# Altium PCB 通讯转换模块-V5.PcbDoc (part 1 of 2)
Units mm, origin at the board's own origin, x right, y up, seen from the top; angles counter-clockwise.
Board outline 99.4 x 81.85 mm, 2 copper layers (Top Layer, Bottom Layer), stack 1.571 mm thick; 115 components, 145 nets, 551 pads, 427 vias.
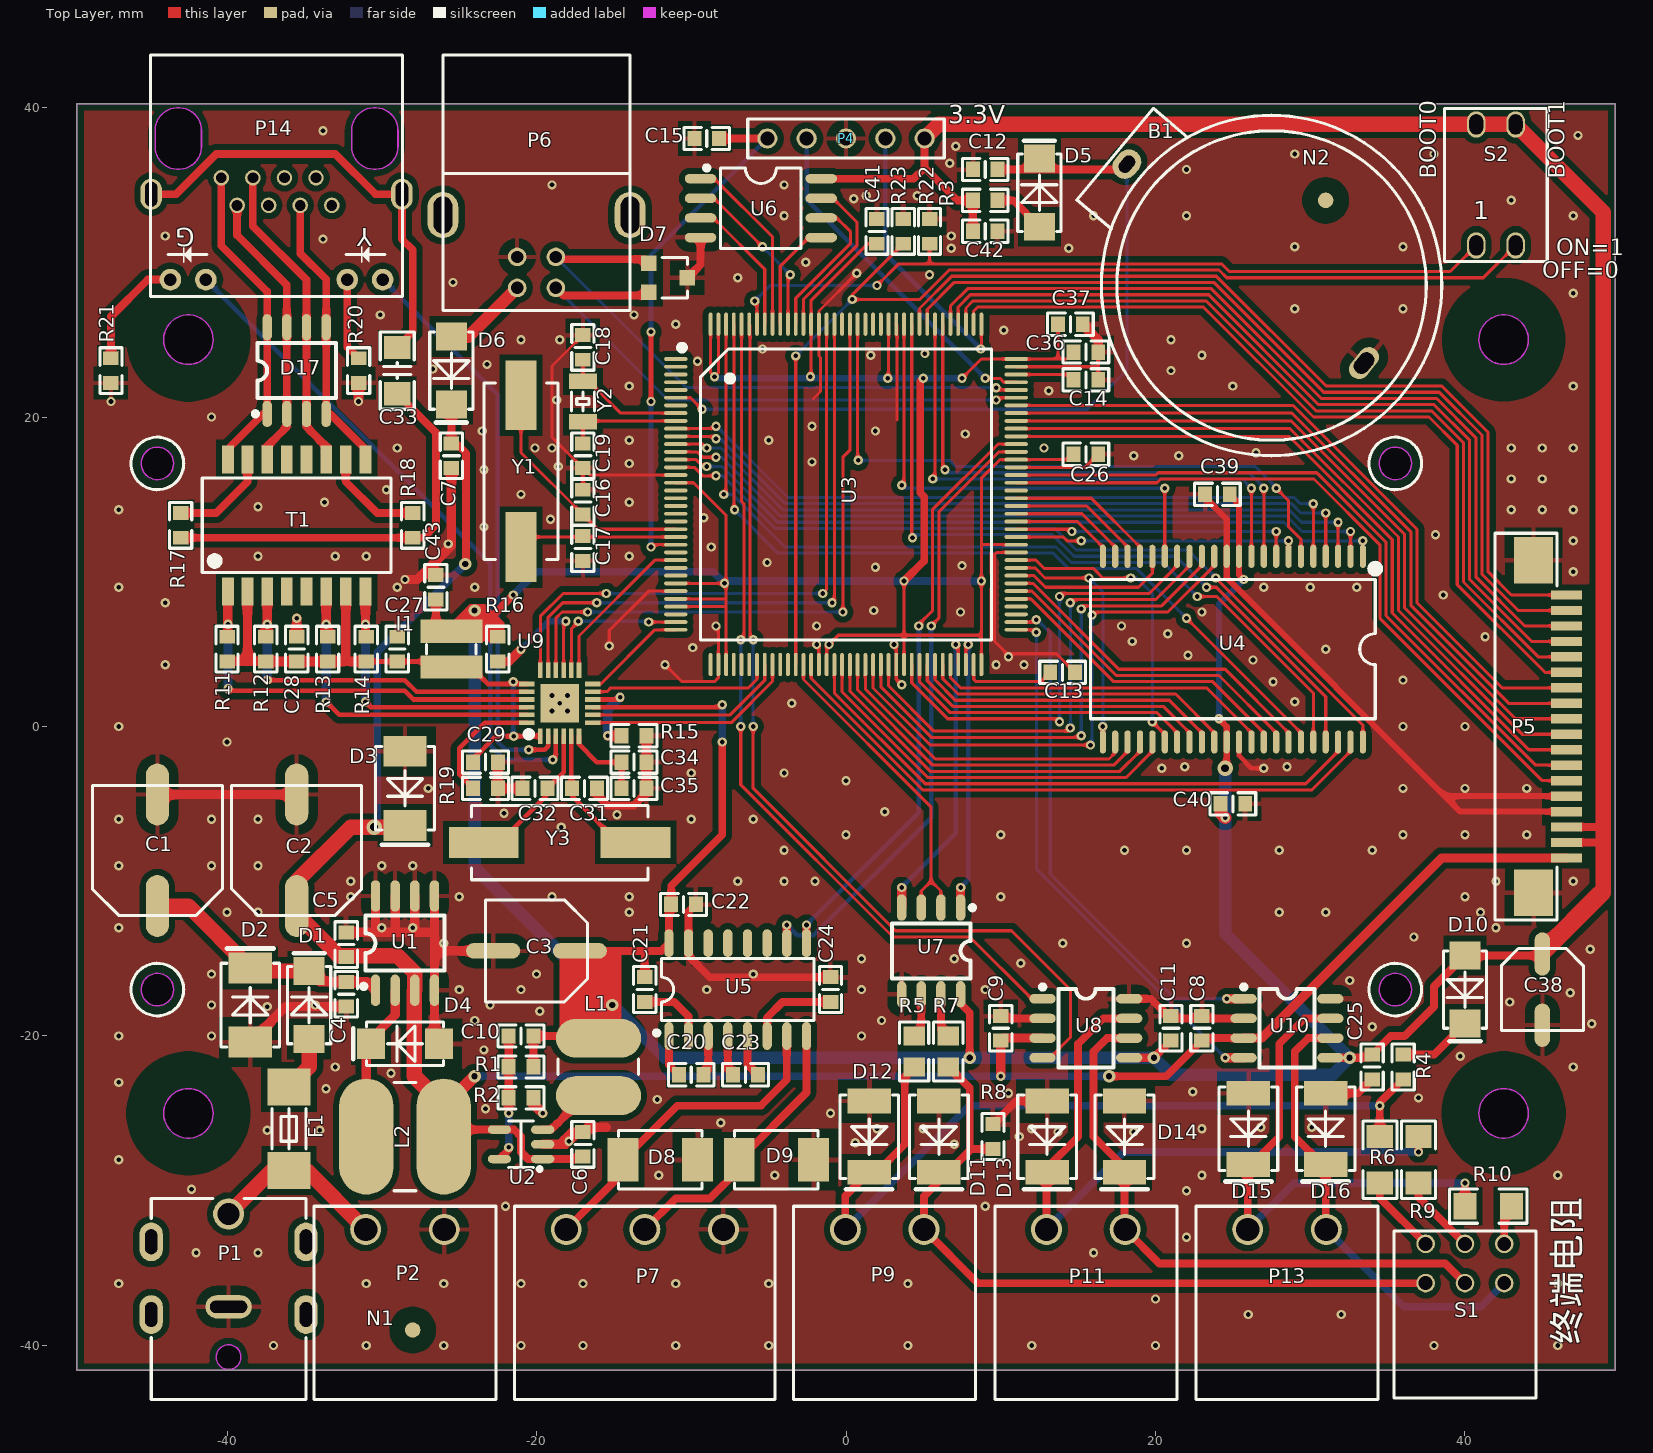
[diagram p0: Top Layer view]
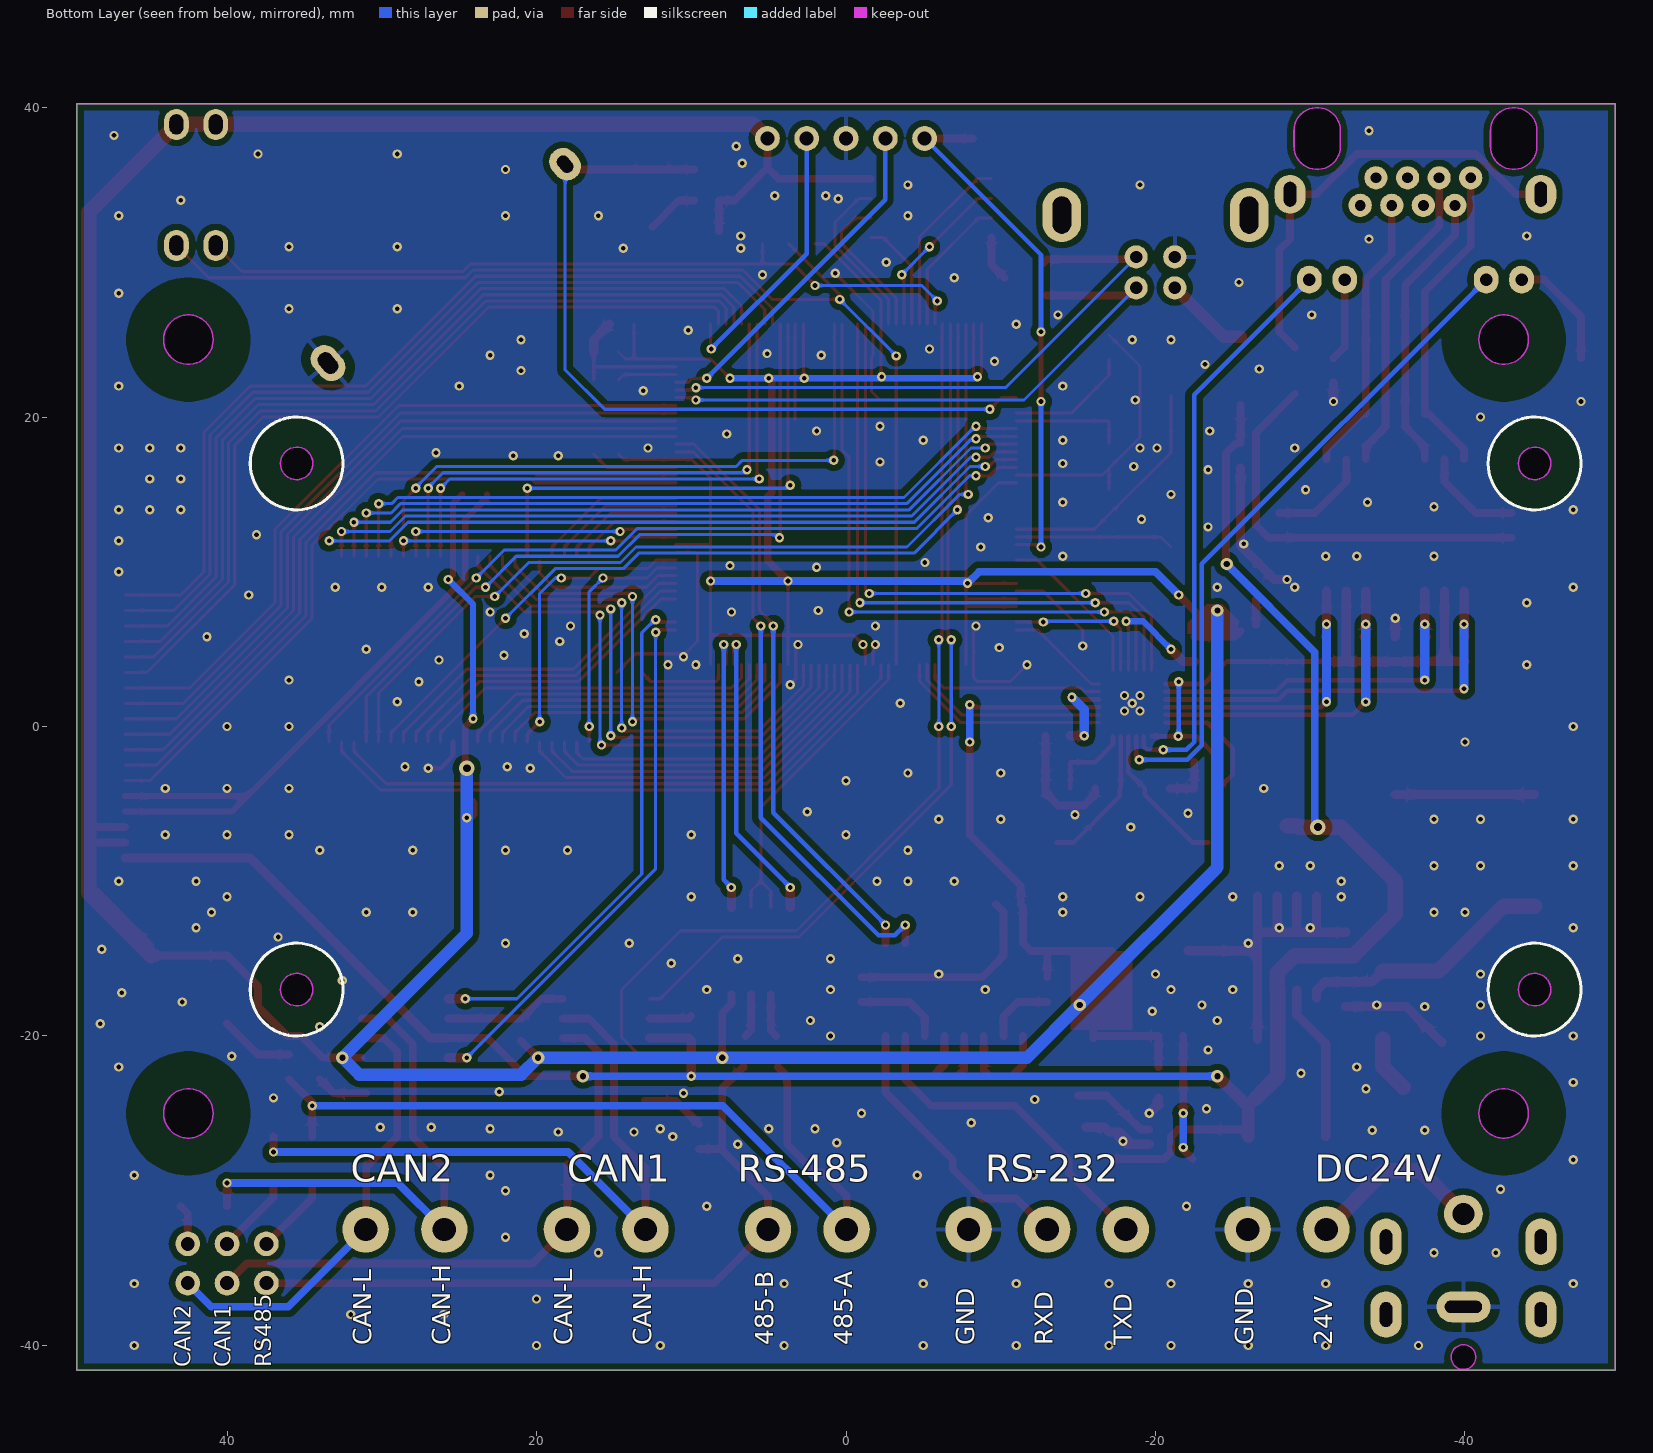
[diagram p1: Bottom Layer view, seen from below]
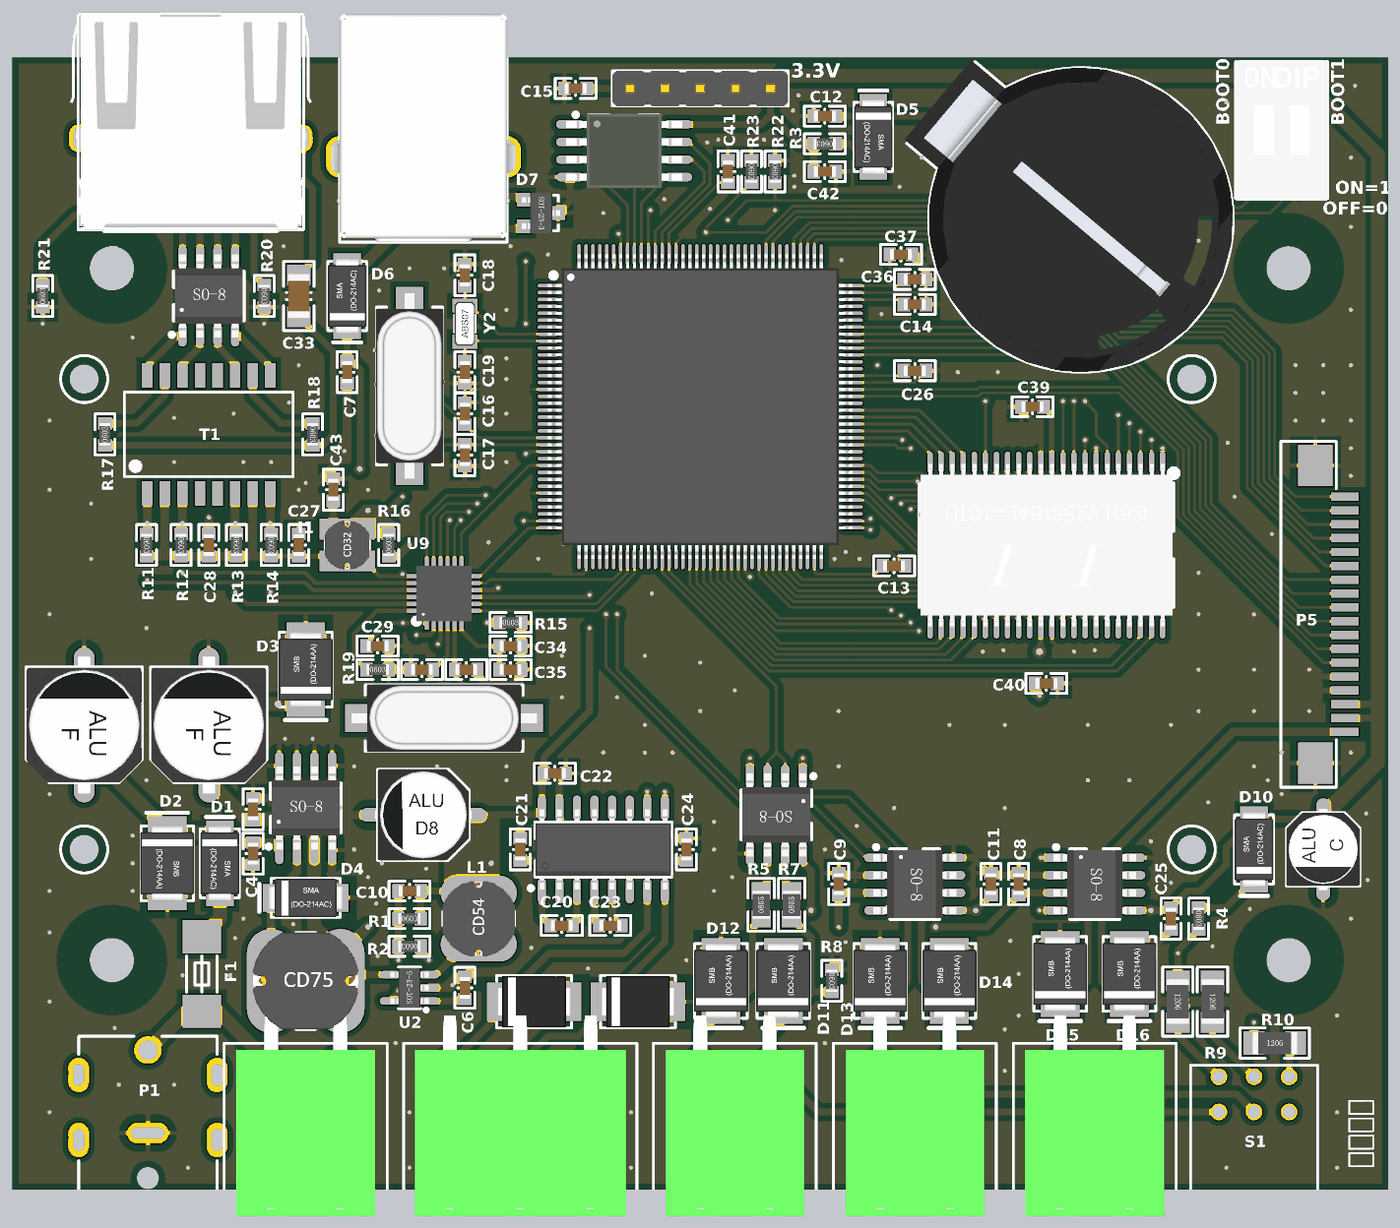
[diagram p3: 3D render of the assembled board from above, using the file's embedded part models]

## Layer stack, top to bottom
Top Solder: solder mask 0.0102, Solder Resist, Dk 3.5
Top Layer: signal copper 0.0356
Dielectric1: dielectric 1.5, FR-4, Dk 4.8
Bottom Layer: signal copper 0.0356
Bottom Solder: solder mask 0.0102, Solder Resist, Dk 3.5

## Board outline
-49.7,-41.6 49.7,-41.6 49.7,40.25 -49.7,40.25
cut-out: 34.45,-17 ccw(c35.5,-17) 35.5,-18.05 ccw(c35.5,-17) 36.55,-17 ccw(c35.5,-17) 35.5,-15.95 ccw(c35.5,-17)
cut-out: 34.45,17 ccw(c35.5,17) 35.5,15.95 ccw(c35.5,17) 36.55,17 ccw(c35.5,17) 35.5,18.05 ccw(c35.5,17)
cut-out: -45.55,17 ccw(c-44.5,17) -44.5,15.95 ccw(c-44.5,17) -43.45,17 ccw(c-44.5,17) -44.5,18.05 ccw(c-44.5,17)
cut-out: -45.55,-17 ccw(c-44.5,-17) -44.5,-18.05 ccw(c-44.5,-17) -43.45,-17 ccw(c-44.5,-17) -44.5,-15.95 ccw(c-44.5,-17)
cut-out: 40.9,25 ccw(c42.5,25) 42.5,23.4 ccw(c42.5,25) 44.1,25 ccw(c42.5,25) 42.5,26.6 ccw(c42.5,25)
cut-out: 40.9,-25 ccw(c42.5,-25) 42.5,-26.6 ccw(c42.5,-25) 44.1,-25 ccw(c42.5,-25) 42.5,-23.4 ccw(c42.5,-25)
cut-out: -44.1,-25 ccw(c-42.5,-25) -42.5,-26.6 ccw(c-42.5,-25) -40.9,-25 ccw(c-42.5,-25) -42.5,-23.4 ccw(c-42.5,-25)
cut-out: -44.1,25 ccw(c-42.5,25) -42.5,23.4 ccw(c-42.5,25) -40.9,25 ccw(c-42.5,25) -42.5,26.6 ccw(c-42.5,25)

## Design rules (kind name [scope] priority, off if disabled: settings)
Clearance Clearance敷铜间隔 [InPolygon] p1: gap=0.4
Clearance Clearance通用间隔 [All] p2: gap=0.2
PlaneConnect [All] p1: planeconnectstyle=Relief reliefexpansion=0.508 reliefentries=4 reliefconductorwidth=0.3 reliefairgap=0.3
PolygonConnect PolygonConnect_过孔 [All vs IsVia] p1: connectstyle=Direct reliefconductorwidth=0.254 reliefentries=4 polygonreliefangle="90 Angle" airgapwidth=0.254
PolygonConnect [All] p2: connectstyle=Relief reliefconductorwidth=0.3 reliefentries=4 polygonreliefangle="90 Angle" airgapwidth=0.6
RoomDefinition 通讯转换模块-V5 [InComponentClass('通讯转换模块-V5')] p1: confinementstyle=ConfineIn formatcopy=TRUE lockcomponents=FALSE outline -323,-348 -272.2,-348 -272.2,-322.6 -323,-322.6
RoutingVias [All] p1: holewidth=0.5 width=1 viastyle="Through Hole" minholewidth=0.4 minwidth=0.8 maxholewidth=10 maxwidth=10
SolderMaskExpansion [All] p1: expansion=0.102
Width [All] p1: maxlimit=10 minlimit=0.2 preferedwidth=0.5
29 further rules are at their usual default settings.

## Components (designator, comment, footprint, x,y, rotation, side; value= is the part's Value field where it differs from the comment)
B1 "CR2032-3V" CR2032 27.5,28.5 r320 top
C1 "100UF/50V" 贴片固态电容8*10 -44.5,-8 r90 top
C2 "470UF/16V" 贴片固态电容8*10 -35.5,-8 r90 top
C3 "220UF/10V" 贴片固态电容6.3*7.7 -20,-14.5 r180 top
C4 "104" C-0603 -32.3,-17.3 r90 top
C5 "104" C-0603 -32.3,-14.1 r270 top
C6 "104" C-0603 -17,-27 r270 top
C7 "104" C-0603 -25.5,17.5 r90 top
C8 "105" C-0603 23,-19.5 r270 top
C9 "104" C-0603 10,-19.5 r270 top
C10 "30" C-0603 -21,-20 r0 top
C11 "104" C-0603 21,-19.5 r270 top
C12 "105" C-0603 9,36 r0 top
C13 "225" C-0603 14,3.5 r180 top
C14 "225" C-0603 15.5,22.4 r180 top
C15 "104" C-0603 -9,38 r0 top
C16 "15P" C-0603 -17,14.5 r90 top
C17 "15P" C-0603 -17,11.5 r270 top
C18 "15P" C-0603 -17,24.5 r90 top
C19 "15P" C-0603 -17,17.5 r270 top
C20 "104" C-0603 -10,-22.5 r180 top
C21 "104" C-0603 -13,-17 r90 top
C22 "104" C-0603 -10.5,-11.5 r180 top
C23 "104" C-0603 -6.5,-22.5 r180 top
C24 "104" C-0603 -1,-17 r270 top
C25 "104" C-0603 34,-22 r90 top
C26 "104" C-0603 15.5,17.6 r180 top
C27 "104" C-0603 -29,5 r270 top
C28 "104" C-0603 -35.5,5 r270 top
C29 "104" C-0603 -23.3,-2.3 r180 top
C31 "15P" C-0603 -16.9,-4 r0 top
C32 "15P" C-0603 -20.1,-4 r180 top
C33 "102/3KV" C-1206 -29,23 r90 top
C34 "471" C-0603 -13.7,-2.3 r180 top
C35 "105" C-0603 -13.7,-4 r180 top
C36 "104" C-0603 15.5,24.2 r180 top
C37 "106" C-0603 14.5,26 r180 top
C38 "100UF/10V" 贴片固态电容5*5.3 45,-17 r270 top
C39 "104" C-0603 24,15 r0 top
C40 "104" C-0603 25,-5 r180 top
C41 "104" C-0603 2,32 r270 top
C42 "104" C-0603 9,32 r180 top
C43 "104" C-0603 -26.5,9 r270 top
D1 "M7" SMA -34.7,-18 r270 top
D2 "SMBJ24A" SMB -38.5,-18 r270 top
D3 "SMBJ5.0A" SMB -28.5,-4 r90 top
D4 "SS16" SMA -28.5,-20.5 r0 top
D5 "SS12" sma 12.5,34.5 r270 top
D6 "SS12" SMA -25.5,23 r90 top
D7 "LGSOT05CLT1G" SOT-23 -11.5,29 r180 top
D8 "SMBJ15CA" SMB无极性 -12,-28 r180 top
D9 "SMBJ15CA" SMB无极性 -4.5,-28 r180 top
D10 "SS12" SMA 40,-17 r90 top
D11 "SMAJ5.0A" SMB-N 6,-26.5 r90 top
D12 "SMAJ5.0A" SMB-N 1.5,-26.5 r90 top
D13 "SMBJ5.0A" SMB-N 13,-26.5 r90 top
D14 "SMBJ5.0A" SMB-N 18,-26.5 r90 top
D15 "SMBJ5.0A" SMB-N 26,-26 r90 top
D16 "SMBJ5.0A" SMB-N 31,-26 r90 top
D17 "SLVU2.8-4" SOP-8-N -35.5,23 r0 top
F1 "0.5A" FUSE-1808 -36,-26 r90 top
I1 "220UH" CD32 -25.5,5 r90 top
L1 "4.7UH" CD54 -16,-22 r90 top
L2 "150UH" CD75 -28.5,-26.5 r0 top
N1 "光学定位点" MARK-1mm-3mm -28,-39 r0 top
N2 "光学定位点" MARK-1mm-3mm 31,34 r0 top
P1 "DC-007B-5.5*2.5" DC-007B -39.9,-43.5 r180 top
P2 "DC24V-IN" KF2EDG5.08V-2P-有挡边-卧式 -28.5,-32.5 r0 top
P4 "ST-Link" HDR1X5 0,38 r180 top
P5 "FPC-1.0mm-18P" FPC-1.0mm_18P下接翻盖 45.5,0 r90 top
P6 "MUSB2.0" USB1.1-插件-母座 -20,30.7 r0 top
P7 "RS-232" KF2EDG5.08V-3P-有挡边-卧式 -13,-32.5 r0 top
P9 "RS-485" KF2EDG5.08V-2P-有挡边-卧式 2.5,-32.5 r0 top
P11 "CAN" KF2EDG5.08V-2P-有挡边-卧式 15.5,-32.5 r0 top
P13 "CAN" KF2EDG5.08V-2P-有挡边-卧式 28.5,-32.5 r0 top
P14 "网络变压器带灯" RJ45-8P8C-56带灯 -36.8,38 r180 top
R1 "540K" R-0603 -21,-22 r0 top
R2 "120K" R-0603 -21,-24 r180 top
R3 "10K" R-0603 9,34 r180 top
R4 "1K" R-0603 36,-22 r270 top
R5 "10" R-0805 4.4,-21 r90 top
R6 "330" R-1206 34.5,-28 r270 top
R7 "10" R-0805 6.6,-21 r90 top
R8 "1K" R-0603 9.5,-26.5 r270 top
R9 "120" R-1206 37,-28 r270 top
R10 "120" R-1206 41.5,-31 r0 top
R11 "49.9" R-0603 -40,5 r270 top
R12 "49.9" R-0603 -37.5,5 r270 top
R13 "49.9" R-0603 -33.5,5 r270 top
R14 "49.9" R-0603 -31,5 r270 top
R15 "10K" R-0603 -13.7,-0.6 r0 top
R16 "10K" R-0603 -22.5,5 r90 top
R17 "75-1%" R-0603 -43,13 r90 top
R18 "75-1%" R-0603 -28,13 r270 top
R19 "12.1K" R-0603 -23.3,-4 r0 top
R20 "470" R-0603 -31.5,23 r270 top
R21 "470" R-0603 -47.5,23 r90 top
R22 "10K" R-0603 5.4,32 r270 top
R23 "10K" R-0603 3.7,32 r270 top
S1 "SW-DIP3" SW-红色拨码开关-侧拨弯脚3P 40,-34.7 r0 top
S2 "SW-DIP2" SW-红色拨码开关2P 42,35 r0 top
T1 "H1102" H1102 -35.5,13 r0 top
U1 "XL1509-5.0" SOP-8-m -28.5,-14 r0 top
U2 "PAM2312AABADJ" SOT-23-5-M -21,-27 r0 top
U3 "STM32F407ZET6" TQFP-144-L 0,15 r270 top
U4 "IS62WV51216BLL-55TLI" TSOP2-44-L 25,5 r180 top
U5 "MAX3232" SOP-16-M -7,-17 r0 top
U6 "W25Q128FV" SOIC-8-M -5.5,33.5 r270 top
U7 "TP8485E-SR" SOP-8-N 5.5,-14.5 r180 top
U8 "TJA1051T/3" SOP-8-N 15.5,-19.5 r270 top
U9 "LAN8720A-CP-TR" QFN-24 -18.5,1.5 r0 top
U10 "TJA1051T/3" SOP-8-N 28.5,-19.5 r270 top
Y1 "8M" HC-49SMD -21,16.5 r90 top
Y2 "32.768K" FC135 -17,21 r90 top
Y3 "25M" HC-49SMD -18.5,-7.5 r0 top

## Footprints (in the part's own frame and the unit in brackets; to place one, negate y for a bottom-side part, rotate by r counter-clockwise, add the part's x,y. Pads: shape width x height; smd on the part's side, far side on the other; paste and mask are expansions set on the pad)
C-0603 [mm]
  rect 0.9x1 smd: 1(-0.8,0) 2(0.8,0)
  silkscreen extent -1.48,-0.72 1.48,0.72, body extent -0.8,-0.4 0.8,0.4, height 0.6
C-1206 [mm]
  rect 1.5x1.7 smd: 1(-1.5,0) 2(1.5,0)
  silkscreen extent -2.5,-1.1 2.5,1.1, body extent -1.6,-0.8 1.6,0.8, height 0.95
CD32 [mm]
  rect 1.5x4 smd: 1(-1.15,0) 2(1.15,0)
  silkscreen extent -0.3,-1.6 0.3,1.6, body extent -1.79,-1.6 1.79,1.6, height 2.25
CD54 [mm]
  oval 2.5x5.5 smd: 1(-1.85,0) 2(1.85,0)
  silkscreen extent -0.5,-2.6 0.5,2.6, body extent -2.75,-2.6 2.75,2.6, height 4.6
CD75 [mm]
  oval 3.5x7.5 smd: 1(-2.5,0) 2(2.5,0)
  silkscreen extent -0.7,-3.5 0.7,3.5, body extent -3.83,-3.5 3.83,3.5, height 5.06
CR2032 [mm]
  oval 1.6x2 / inner oval 1.6x2 / far side oval 1.8x2.2 hole 0.8 slot 1.2 at 90 deg: 1(-12.2,0)
  oval 1.3x2.3 / inner oval 1.3x2.3 / far side oval 1.8x2.5 hole 1 slot 1.5 at 90 deg: 2(7.8,0)
  silkscreen extent -13.21,-11 11,11, body extent -13.5,-11 11,11, height 8.6
DC-007B [mm]
  round 2 / inner round 2 / far side round 2.5 hole 1.4: 1(0,-12)
  oval 3x1.5 / inner oval 3x2 / far side oval 3.5x2 hole 0.8 slot 2.4 at 0 deg: 2(0,-6)
  oval 1.5x2.5 / inner oval 1.5x2.5 / far side oval 2x3 hole 0.8 slot 1.6 at 90 deg: 3(-5,-5.5) 3(-5,-10.2) 3(5,-5.5) 3(5,-10.2)
  Keep-Out Layer circle w0.1: c0,-2.75 r0.8
  Keep-Out Layer board cut-out: 0,-3.55 -0.306,-3.489 -0.566,-3.316 -0.739,-3.056 -0.8,-2.75 -0.8,-2.75 -0.739,-2.444 -0.566,-2.184 -0.306,-2.011 0,-1.95 0,-1.95 0.306,-2.011 0.566,-2.184 0.739,-2.444 0.8,-2.75 0.8,-2.75 0.739,-3.056 0.566,-3.316 0.306,-3.489 0,-3.55
  silkscreen extent -5,-13 5,0, body extent -5,-13 5,0, height 10
FC135 [mm]
  rect 1x1.8 smd: 1(-1.3,0) 2(1.3,0)
  silkscreen extent -0.6,-0.75 0.6,0.75, body extent -1.61,-0.76 1.61,0.76, height 1.01
FPC-1.0mm_18P下接翻盖 [mm]
  rect 0.6x2 smd: 1(-8.5,-1.075) 2(-7.5,-1.075) 3(-6.5,-1.075) 4(-5.5,-1.075) 5(-4.5,-1.075) 6(-3.5,-1.075) 7(-2.5,-1.075) 8(-1.5,-1.075) 9(-0.5,-1.075) 10(0.5,-1.075) 11(1.5,-1.075) 12(2.5,-1.075) 13(3.5,-1.075) 14(4.5,-1.075) 15(5.5,-1.075) 16(6.5,-1.075) 17(7.5,-1.075) 18(8.5,-1.075)
  rect 3x2.5 smd: 19(-10.75,1.075) 20(10.75,1.075)
  silkscreen extent -12.51,-0.44 12.49,3.56
FUSE-1808 [mm]
  rect 2.4x2.8 smd: 1(-2.7,0) 2(2.7,0)
  silkscreen extent -1.3,-1.1 1.3,1.1, body extent -3,-1.3 3,1.3, height 2.6
H1102 [mm]
  rect 0.76x1.8 smd: 1(-4.445,-4.265) 2(-3.175,-4.265) 3(-1.905,-4.265) 4(-0.635,-4.265) 5(0.635,-4.265) 6(1.905,-4.265) 7(3.175,-4.265) 8(4.445,-4.265) 9(4.445,4.265) 10(3.175,4.265) 11(1.905,4.265) 12(0.635,4.265) 13(-0.635,4.265) 14(-1.905,4.265) 15(-3.175,4.265) 16(-4.445,4.265)
  silkscreen extent -6.1,-3.05 6.1,3.05, body extent -6.1,-3.5 6.1,3.5, height 6
HC-49SMD [mm]
  rect 4.5x2 smd: 1(-4.9,0) 2(4.9,0)
  silkscreen extent -5.7,-2.4 5.7,2.4, body extent -6.7,-2.46 6.7,2.44, height 4
HDR1X5 [mm] "Connector; Header; 5 Position"
  round 1.3 / inner round 1.6 / far side round 1.6 hole 0.9: 1(-5.08,0) 2(-2.54,0) 3(0,0) 4(2.54,0) 5(5.08,0)
  silkscreen extent -6.35,-1.27 6.35,1.27, body extent -6.35,-1.27 6.35,1.27, height 10.12
KF2EDG5.08V-2P-有挡边-卧式 [mm]
  round 2 / inner round 3 / far side round 3 hole 1.5: 1(-2.54,0) 2(2.54,0)
  silkscreen extent -5.88,-11 5.88,1.5, body extent -5,-11 5,3.5, height 8.48
KF2EDG5.08V-3P-有挡边-卧式 [mm]
  round 2 / inner round 3 / far side round 3 hole 1.5: 1(-5.08,0) 2(0,0) 3(5.08,0)
  silkscreen extent -8.42,-11 8.42,1.5, body extent -7.62,-11 7.62,3.5, height 8.48
MARK-1mm-3mm [mm]
  round 1 smd paste-0.6 mask+1: 1(0,0)
  Top Layer pour cut-out: -1.5,0 -1.386,-0.574 -1.061,-1.061 -0.574,-1.386 0,-1.5 0,-1.5 0.574,-1.386 1.061,-1.061 1.386,-0.574 1.5,0 1.5,0 1.386,0.574 1.061,1.061 0.574,1.386 0,1.5 0,1.5 -0.574,1.386 -1.061,1.061 -1.386,0.574 -1.5,0
QFN-24 [mm]
  rect 0.3x1 smd: 1(-1.25,-2.125) 2(-0.75,-2.125) 3(-0.25,-2.125) 4(0.25,-2.125) 5(0.75,-2.125) 6(1.25,-2.125) 13(1.25,2.125) 14(0.75,2.125) 15(0.25,2.125) 16(-0.25,2.125) 17(-0.75,2.125) 18(-1.25,2.125)
  rect 1x0.3 smd: 7(2.125,-1.25) 8(2.125,-0.75) 9(2.125,-0.25) 10(2.125,0.25) 11(2.125,0.75) 12(2.125,1.25) 19(-2.125,1.25) 20(-2.125,0.75) 21(-2.125,0.25) 22(-2.125,-0.25) 23(-2.125,-0.75) 24(-2.125,-1.25)
  rect 2.5x2.5 smd: 25(0,0)
  silkscreen extent -2.2,-2.2 -1.8,-1.8, body extent -2,-2 2,2, height 0.9
R-0603 [mm]
  rect 0.9x1 smd: 1(-0.8,0) 2(0.8,0)
  silkscreen extent -1.48,-0.72 1.48,0.72, body extent -0.8,-0.4 0.8,0.4, height 0.45
R-0805 [mm]
  rect 1.25x1.4 smd: 1(-1,0) 2(1,0)
  silkscreen extent -1.9,-0.95 1.9,0.95, body extent -1,-0.63 1,0.63, height 0.55
R-1206 [mm]
  rect 1.5x1.7 smd: 1(-1.5,0) 2(1.5,0)
  silkscreen extent -2.5,-1.1 2.5,1.1, body extent -1.6,-0.8 1.6,0.8, height 0.6
RJ45-8P8C-56带灯 [mm]
  round 1 / inner round 1.3 / far side round 1.5 hole 0.7: 1(3.57,2.54) 2(2.55,4.32) 3(1.53,2.54) 4(0.51,4.32) 5(-0.51,2.54) 6(-1.53,4.32) 7(-2.55,2.54) 8(-3.57,4.32)
  round 1.4 / inner round 1.6 / far side oval 1.6x1.8 hole 0.8: 9(-6.86,9.12) 10(-4.57,9.12) 11(4.57,9.12) 12(6.86,9.12)
  oval 1.4x2 / inner oval 1.4x2 / far side oval 2x2.5 hole 0.8 slot 1.6 at 90 deg: 13(-8.1,3.6) 14(8.1,3.6)
  Keep-Out Layer board cut-out: 7.85,-0.5 7.85,0.5 7.701,1.151 7.285,1.673 6.684,1.962 6.016,1.962 5.415,1.673 4.999,1.151 4.85,0.5 4.85,0.5 4.85,-0.5 4.999,-1.151 5.415,-1.673 6.016,-1.962 6.684,-1.962 7.285,-1.673 7.701,-1.151 7.85,-0.5
  Keep-Out Layer board cut-out: -7.85,-0.5 -7.85,0.5 -7.701,1.151 -7.285,1.673 -6.684,1.962 -6.016,1.962 -5.415,1.673 -4.999,1.151 -4.85,0.5 -4.85,0.5 -4.85,-0.5 -4.999,-1.151 -5.415,-1.673 -6.016,-1.962 -6.684,-1.962 -7.285,-1.673 -7.701,-1.151 -7.85,-0.5
  Keep-Out Layer lines w0.1: 7.85,0.5 ccw(c6.35,0.5) 4.85,0.5 4.85,-0.5 ccw(c6.35,-0.5) 7.85,-0.5 7.85,0.5 ; -4.85,0.5 ccw(c-6.35,0.5) -7.85,0.5 -7.85,-0.5 ccw(c-6.35,-0.5) -4.85,-0.5 -4.85,0.5
  silkscreen extent -8.15,-5.4 8.15,10.2, body extent -8.75,-5.5 8.75,10.45, height 14.2
SMA [mm]
  rect 1.8x2 smd: 1(2.2,0) 2(-2.2,0)
  silkscreen extent -3.35,-1.4 2.5,1.4, body extent -2.75,-1.4 2.75,1.4, height 2.6
sma [mm]
  rect 1.8x2 smd: 1(2.2,0) 2(-2.2,0)
  silkscreen extent -3.35,-1.4 2.5,1.4, body extent -2.75,-1.4 2.75,1.4, height 2.6
SMB [mm]
  rect 2x2.8 smd: 1(2.4,0) 2(-2.4,0)
  silkscreen extent -3.65,-1.9 2.7,1.9, body extent -2.75,-1.95 2.75,1.95, height 2.45
SMB-N [mm]
  rect 1.6x2.8 smd: 1(2.3,0) 2(-2.3,0)
  silkscreen extent -3.4,-1.9 2.7,1.9, body extent -2.75,-1.95 2.75,1.95, height 2.45
SMB无极性 [mm]
  rect 2x2.8 smd: 1(-2.4,0) 2(2.4,0)
  silkscreen extent -2.7,-1.9 2.7,1.9, body extent -2.65,-1.85 2.65,1.85, height 2.25
SOIC-8-M [mil]
  oval 24x80 smd: 1(-75,-153.54) 2(-25,-153.54) 3(25,-153.54) 4(75,-153.54) 5(75,153.54) 6(25,153.54) 7(-25,153.54) 8(-75,153.54)
  silkscreen extent -108,-144 102,102, body extent -106,-165 106,165, height 91
SOP-8-m [mil]
  oval 24x80 smd: 1(-75,-120) 2(-25,-120) 3(25,-120) 4(75,-120) 5(75,120) 6(25,120) 7(-25,120) 8(-75,120)
  silkscreen extent -111,-116 100,70, body extent -96,-118 96,118, height 67
SOP-8-N [mm]
  oval 0.61x1.7 smd: 1(-1.905,-2.8) 2(-0.635,-2.8) 3(0.635,-2.8) 4(1.905,-2.8) 5(1.905,2.8) 6(0.635,2.8) 7(-0.635,2.8) 8(-1.905,2.8)
  silkscreen extent -2.82,-2.94 2.54,1.78, body extent -2.45,-3 2.45,3, height 1.7
SOP-16-M [mm]
  oval 0.6x1.8 smd: 1(-4.445,-3) 2(-3.175,-3) 3(-1.905,-3) 4(-0.635,-3) 5(0.635,-3) 6(1.905,-3) 7(3.175,-3) 8(4.445,-3) 9(4.445,3) 10(3.175,3) 11(1.905,3) 12(0.635,3) 13(-0.635,3) 14(-1.905,3) 15(-3.175,3) 16(-4.445,3)
  silkscreen extent -5.38,-2.95 4.93,2, body extent -4.9,-2.9 4.9,2.9, height 1.75
SOT-23 [mm]
  rect 1x1 smd: 1(1.25,-0.95) 2(1.25,0.95) 3(-1.25,0)
  silkscreen extent -1.25,-1.3 0.38,1.3, body extent -1.4,-1.45 1.4,1.45, height 1.2
SOT-23-5-M [mm]
  oval 1.5x0.55 smd: 1(1.4,-0.95) 2(1.4,0) 3(1.4,0.95) 4(-1.4,0.95) 5(-1.4,-0.95)
  silkscreen extent -0.8,-1.7 1.3,1.5, body extent -1.4,-1.45 1.4,1.45, height 1.2
SW-红色拨码开关2P [mm]
  oval 1.2x1.7 / inner oval 1.2x1.7 / far side oval 1.6x2 hole 0.9 slot 1.3 at 90 deg: 1(-1.27,-3.91) 2(1.27,-3.91) 3(1.27,3.91) 4(-1.27,3.91)
  silkscreen extent -3.32,-4.95 3.32,4.95, body extent -3.3,-5.1 3.3,5.06, height 6.9
SW-红色拨码开关-侧拨弯脚3P [mm]
  round 1.2 / inner round 1.2 / far side round 1.6 hole 0.9: 1(-2.54,-1.27) 2(0,-1.27) 3(2.54,-1.27) 4(2.54,1.27) 5(0,1.27) 6(-2.54,1.27)
  silkscreen extent -4.59,-8.7 4.59,2.1
TQFP-144-L [mm]
  oval 0.25x1.5 smd: 1(-8.75,-11) 2(-8.25,-11) 3(-7.75,-11) 4(-7.25,-11) 5(-6.75,-11) 6(-6.25,-11) 7(-5.75,-11) 8(-5.25,-11) 9(-4.75,-11) 10(-4.25,-11) 11(-3.75,-11) 12(-3.25,-11) 13(-2.75,-11) 14(-2.25,-11) 15(-1.75,-11) 16(-1.25,-11) 17(-0.75,-11) 18(-0.25,-11) 19(0.25,-11) 20(0.75,-11) 21(1.25,-11) 22(1.75,-11) 23(2.25,-11) 24(2.75,-11) 25(3.25,-11) 26(3.75,-11) 27(4.25,-11) 28(4.75,-11) 29(5.25,-11) 30(5.75,-11) 31(6.25,-11) 32(6.75,-11) 33(7.25,-11) 34(7.75,-11) 35(8.25,-11) 36(8.75,-11) 73(8.75,11) 74(8.25,11) 75(7.75,11) 76(7.25,11) 77(6.75,11) 78(6.25,11) 79(5.75,11) 80(5.25,11) 81(4.75,11) 82(4.25,11) 83(3.75,11) 84(3.25,11) 85(2.75,11) 86(2.25,11) 87(1.75,11) 88(1.25,11) 89(0.75,11) 90(0.25,11) 91(-0.25,11) 92(-0.75,11) 93(-1.25,11) 94(-1.75,11) 95(-2.25,11) 96(-2.75,11) 97(-3.25,11) 98(-3.75,11) 99(-4.25,11) 100(-4.75,11) 101(-5.25,11) 102(-5.75,11) 103(-6.25,11) 104(-6.75,11) 105(-7.25,11) 106(-7.75,11) 107(-8.25,11) 108(-8.75,11)
  oval 1.5x0.25 smd: 37(11,-8.75) 38(11,-8.25) 39(11,-7.75) 40(11,-7.25) 41(11,-6.75) 42(11,-6.25) 43(11,-5.75) 44(11,-5.25) 45(11,-4.75) 46(11,-4.25) 47(11,-3.75) 48(11,-3.25) 49(11,-2.75) 50(11,-2.25) 51(11,-1.75) 52(11,-1.25) 53(11,-0.75) 54(11,-0.25) 55(11,0.25) 56(11,0.75) 57(11,1.25) 58(11,1.75) 59(11,2.25) 60(11,2.75) 61(11,3.25) 62(11,3.75) 63(11,4.25) 64(11,4.75) 65(11,5.25) 66(11,5.75) 67(11,6.25) 68(11,6.75) 69(11,7.25) 70(11,7.75) 71(11,8.25) 72(11,8.75) 109(-11,8.75) 110(-11,8.25) 111(-11,7.75) 112(-11,7.25) 113(-11,6.75) 114(-11,6.25) 115(-11,5.75) 116(-11,5.25) 117(-11,4.75) 118(-11,4.25) 119(-11,3.75) 120(-11,3.25) 121(-11,2.75) 122(-11,2.25) 123(-11,1.75) 124(-11,1.25) 125(-11,0.75) 126(-11,0.25) 127(-11,-0.25) 128(-11,-0.75) 129(-11,-1.25) 130(-11,-1.75) 131(-11,-2.25) 132(-11,-2.75) 133(-11,-3.25) 134(-11,-3.75) 135(-11,-4.25) 136(-11,-4.75) 137(-11,-5.25) 138(-11,-5.75) 139(-11,-6.25) 140(-11,-6.75) 141(-11,-7.25) 142(-11,-7.75) 143(-11,-8.25) 144(-11,-8.75)
  silkscreen extent -9.66,-10.78 9.4,9.4, body extent -11.01,-11.01 11.01,11.01, height 1.75
TSOP2-44-L [mm]
  oval 0.4x1.5 smd: 1(-8.401,-6) 2(-7.601,-6) 3(-6.801,-6) 4(-6.001,-6) 5(-5.201,-6) 6(-4.401,-6) 7(-3.6,-6) 8(-2.8,-6) 9(-2,-6) 10(-1.2,-6) 11(-0.4,-6) 12(0.4,-6) 13(1.2,-6) 14(2,-6) 15(2.8,-6) 16(3.6,-6) 17(4.401,-6) 18(5.201,-6) 19(6.001,-6) 20(6.801,-6) 21(7.601,-6) 22(8.401,-6) 23(8.401,6) 24(7.601,6) 25(6.801,6) 26(6.001,6) 27(5.201,6) 28(4.401,6) 29(3.6,6) 30(2.8,6) 31(2,6) 32(1.2,6) 33(0.4,6) 34(-0.4,6) 35(-1.2,6) 36(-2,6) 37(-2.8,6) 38(-3.6,6) 39(-4.401,6) 40(-5.201,6) 41(-6.001,6) 42(-6.801,6) 43(-7.601,6) 44(-8.401,6)
  silkscreen extent -9.7,-5.7 9.2,4.5, body extent -9.1,-5.87 9.1,5.88, height 1.3
USB1.1-插件-母座 [mm]
  round 1.2 / inner round 1.2 / far side round 1.5 hole 0.8: 1(-1.25,-2.355) 2(1.25,-2.355) 3(1.25,-0.355) 4(-1.25,-0.355)
  oval 2x3 / inner oval 2x3 / far side oval 2.5x3.5 hole 1.2 slot 2.4 at 90 deg: 5(-6.05,2.355) 5(6.05,2.355)
  silkscreen extent -6.05,-3.81 6.05,12.7, body extent -7.4,-3.81 7.4,12.69, height 11.2
贴片固态电容5*5.3 [mm]
  oval 2.8x1 smd: 1(-2.3,0) 2(2.3,0)
  silkscreen extent -2.65,-2.65 2.65,2.65, body extent -2.95,-2.65 2.95,2.65, height 5.42
贴片固态电容6.3*7.7 [mm]
  oval 3.5x1 smd: 1(-2.8,0) 2(2.8,0)
  silkscreen extent -3.3,-3.3 3.3,3.3, body extent -3.5,-3.3 3.5,3.3, height 7.71
贴片固态电容8*10 [mm]
  oval 4x1.5 smd: 1(-3.6,0) 2(3.6,0)
  silkscreen extent -4.2,-4.2 4.2,4.2, body extent -4.95,-4.15 4.95,4.15, height 10.21

## Part data
B1: library part Battery1, "锂电池"
C1 C2 C3 C38: library part "Cap Pol1", "电解电容"
C4 C5 C6 C7 C8 C9 C10 C11 C20 C21 C22 C23 C24 C33 C36 C37 C39 C40 C41 C42 C43: library part Cap-0805, "0805"
C12 C13 C14 C15 C16 C17 C18 C19 C25 C26 C27 C28 C29 C31 C32 C34 C35: library part Cap-0603, "0805"
D1: "SMA"
D2 D3 D11 D12 D13 D14 D15 D16: library part TVS-1, "SMB"
D4 D5 D6 D10: library part SS14, "SMA"
D7: library part ESDA5V3L, "ESD"
D8 D9: library part TVS-2, "SMB"
F1: library part "Fuse 1", "Fuse"
I1: library part Inductance1
L1 L2: library part Inductance3
N1 N2: library part 无引脚
P1: library part DC-007B
P2 P9 P11 P13: library part "Header 2", "Header, 2-Pin"
P4: library part "Header 5", "Header, 5-Pin"
P5: library part "Header 20", "Header, 20-Pin"
P6: library part USB-4_A
P7: library part "Header 3", "Header, 3-Pin"
R1 R2 R3 R15 R16 R19 R20 R21 R22 R23: library part Res2-0603, "0603"
R4 R5 R6 R7 R8 R9 R10 R11 R12 R13 R14: library part Res2, "Resistor"
R17 R18: library part Res2-0805, "0805"
U1: library part XL1509-ADJ, "开关电源 SOP-8"
U2: library part PAM2312, "开关电源 SOT-23-5"
U6: "SPI-FLASH"
U7: library part MAX3082, "RS485总线转串口"
U9: "以太网PHY"
Y1 Y2 Y3: library part 晶振

## Via types
v1: diameter 0.6, hole 0.3, Top Layer to Bottom Layer, tented both sides, 417 vias
v2: diameter 0.8, hole 0.4, Top Layer to Bottom Layer, tented both sides, 8 vias
v3: diameter 1, hole 0.5, Top Layer to Bottom Layer, tented both sides, 2 vias

## Nets (pads, with @x,y where several pads share a name; then routed paths per layer and width w, separated by ;. In a path a pad name is that pad's centre, name@x,y a point inside that pad or via, vN(x,y) a via of type N, cw(c..) or ccw(c..) an arc to the next point about the centre after c; other vN are vias at no path point)
1.8V: C34.2 C35.2 U9.6 | length 5.5
  Top Layer w0.3: U9.6@-17.25,-0.625 -17.25,-1.15 -16.1,-2.3 C34.2@-14.5,-2.3 C35.2@-14.5,-4
3.3V: C3.1 C10.2 C11.2 C21.2 C22.2 C25.2 C26.2 C36.2 C37.2 C38.1 C39.2 C40.2 C41.2 C42.2 C43.2 D10.1 I1.2 L1.2 P4.1 P5.2 P5.3 R1.2 R3.2 R16.2 S2.3 S2.4 U3.17 U3.30 U3.32 U3.33 U3.39 U3.52 U3.62 U3.72 U3.84 U3.95 U3.108 U3.121 U3.131 U3.143 U3.144 U4.11 U4.33 U5.16 U6.8 U7.8 U8.5 U9.9 U10.5 | length 472
  Top Layer w0.2: U3.33@-11,7.75 -7.85,7.75 ; U3.32@-11,8.25 -7.85,8.25 ; U3.30@-11,9.25 v1(-7.85,9.25) ; U3.17@-11,15.75 -9.85,15.75 -7.75,13.65 U3.39@-7.75,4 ; U3.144@-8.75,26 -8.75,22.85 v1(-8.5,22.6) -8.25,22.85 U3.143@-8.25,26 ; v1@-2.25,22.65 U3.131@-2.25,26 -2.25,27.553 1.397,31.2 C41.2@2,31.2 ; U3.52@-1.25,4 v1@-1.25,5.15 ; v1(-1.1,5.3) -0.5,5.9 3.75,5.9 ; v1(2.7,22.5) 2.75,22.55 U3.121@2.75,26 ; U3.62@3.75,4 3.75,5.9 ; v1(3.75,9.4) 3.75,5.9 ; v1(7.5,22.5) 8.75,23.75 U3.108@11,23.75 14.25,23.75 C36.2@14.7,24.2 ; U3.72@8.75,4 8.75,5.9 ; 8.8,11.75 U3.84@11,11.75 ; 13.7,23.75 C37.2@13.7,26 ; C26.2@14.7,17.6 14.35,17.25 U3.95@11,17.25 9.95,17.25 8.75,16.05 8.75,5.9 ; 3.75,5.9 8.75,5.9
  Top Layer w0.3: U9.9@-16.375,1.25 -8.15,1.25 v1(-8,1.4)
  Top Layer w0.4: v1(24.1,0.5) 24.6,0 U4.33@24.6,-1 v3@24.6,-2.6 ; C39.2@24.8,15 25.4,14.4 U4.11@25.4,11 25.4,9.8 v1(25.7,9.5)
  Top Layer w0.5: I1.2@-26.5,6.6 C43.2@-26.5,8.2 ; I1.2@-25.5,6.15 -25.15,5.8 R16.2@-22.5,5.8 ; -23,6.9 -23,7 v1(-21.5,8.5) ; R1.2@-20.2,-22 C10.2@-20.2,-20 L1.2@-16,-20 ; C3.1@-17.2,-14.5 -12.9,-14.5 ; L1.2@-16,-20.15 L1.2@-16,-20 ; C3.1@-16,-14.7 L1.2@-16,-20 ; C21.2@-13,-16.2 -13,-14.6 -12.9,-14.5 ; v1(-8,-1) -8,-7 -11.3,-10.3 C22.2@-11.3,-11.5 -11.445,-11.645 U5.16@-11.445,-14 -11.945,-14.5 -12.9,-14.5 ; U6.8@-1.6,35.405 4.365,35.405 5.08,36.12 ; v1(3.75,9.4) 5.05,10.7 5.05,14.85 4.8,15.1 4.8,22.3 v1(5,22.5) ; P4.1@5.08,38 5.08,36.12 ; U7.8@7.405,-17.3 7.405,-17.905 8,-18.5 v2(8,-21.4) ; C42.2@8.2,32 R3.2@8.2,34 7.2,34 5.08,36.12 ; U8.5@18.3,-21.405 v2(19.895,-21.405) C11.2@21,-20.3 ; U10.5@31.3,-21.405 v2(32.547,-21.405) 33.795,-21.405 C25.2@34,-21.2 35.2,-20 36.1,-20 38,-18.1 38,-16.8 D10.1@40,-14.8 C38.1@44.9,-14.8 ; C38.1@45,-14.7 45,-14.1 48.5,-10.6 ; P5.2@46.575,-7.5 48.5,-7.5 ; P5.3@46.575,-6.5 48.5,-6.5
  Top Layer w0.8: I1.2@-24,6.5 v2(-24,7.5) ; C40.2@24.2,-5 24.2,-5.6 v1(24.5,-5.9)
  Top Layer w1: P4.1@5.08,38 5.99,38.91 S2.4@40.73,38.91 S2.3@43.27,38.91 48.95,33.23 48.95,-10.75 C38.1@45,-14.7 C38.1@44.9,-14.8
  Bottom Layer w0.4: v1(-8.5,22.6) -8.4,22.5 v1(2.7,22.5) v1(7.5,22.5) ; v1(24.1,0.5) 24.1,7.9 v1(25.7,9.5)
  Bottom Layer w0.5: v1(-21.5,8.5) -20,10 -8.6,10 v1(-7.85,9.25) -7.7,9.4 v1(3.75,9.4) v1(8.75,9.4) ; v1(-8,-1) v1(-8,1.4)
  Bottom Layer w0.8: v2(-24,7.5) -24,-9.1 v2(-15.1,-18) -11.695,-21.405 v2(19.895,-21.405) 20.99,-22.5 31.452,-22.5 v2(32.547,-21.405) 24.5,-13.358 v1(24.5,-5.9) v3(24.5,-2.7)
  other v1: -2.3,22.6
5V: C2.1 C5.2 C6.2 C7.2 C8.2 C9.2 D3.2 D6.2 L2.2 P5.1 U1.3 U2.1 U2.4 U8.3 U10.3 | length 156.4
  Top Layer w0.5: L2.2@-26,-26.5 -25.55,-26.05 U2.4@-22.4,-26.05 -21.45,-26.05 -21,-26.5 -21,-27.5 -20.55,-27.95 U2.1@-19.6,-27.95 -17.15,-27.95 C6.2@-17,-27.8 ; D6.2@-25.5,20.8 C7.2@-25.5,18.3 -25.2,18.3 -24.55,17.65 -24.55,10.55 v2(-24.6,10.5) ; v2(17,-22.6) 20.7,-22.6 C8.2@23,-20.3 23.165,-20.135 U10.3@25.7,-20.135
  Top Layer w0.6: v1(10,-22.6) C9.2@10,-20.3 10.165,-20.135 U8.3@12.7,-20.135 ; U10.3@25.7,-20.135 26.865,-20.135 38.5,-8.5 P5.1@46.575,-8.5
  Top Layer w0.8: L2.2@-26.5,-24 -26,-24.5 L2.2@-26,-24.6 ; L2.2@-26,-26.5 L2.2@-26,-24.6 ; v2(-24,-22.6) L2.2@-26,-24.6
  Top Layer w1: D3.2@-28.5,-6.4 -29.2,-6.4 -29.3,-6.5 v3(-30.5,-6.5) -32,-6.5 -35.5,-10 C2.1@-35.5,-11.6 -35.5,-12.1 -32.8,-14.8 -29,-14.8 -27.865,-15.935 U1.3@-27.865,-17.048 -27.9,-17.083 -27.9,-22.6 L2.2@-26.5,-24
  Bottom Layer w0.5: v3(-30.5,-6.5) -30.3,-6.3 -30.3,4.8 v2(-24.6,10.5) ; v2(-24,-22.6) v1(10,-22.6) v2(17,-22.6)
485-A: D12.2 P9.1 R4.2 R5.1 R6.1 | length 54.8
  Top Layer w0.5: P9.1@-0.04,-32.5 -0.04,-30.34 D12.2@1.5,-28.8 2,-28.8 3.8,-27 3.8,-22.6 R5.1@4.4,-22 ; R6.1@34.5,-26.5 34.5,-24.3 R4.2@36,-22.8
  Bottom Layer w0.5: P9.1@-0.04,-32.5 7.96,-24.5 v1(34.5,-24.5)
485-B: D11.2 P9.2 R7.1 R8.2 S1.1 | length 47.6
  Top Layer w0.5: R7.1@6.6,-22 6.636,-22 8,-23.364 8,-27.4 5.04,-30.36 P9.2@5.04,-32.5 8.51,-35.97 S1.1@37.46,-35.97 ; 8.1,-27.3 R8.2@9.5,-27.3
485-RE/DE: U3.49 U7.2 U7.3 | length 21.3
  Top Layer w0.2: U3.49@-2.75,4 -2.75,3.033 5.5,-5.217 5.5,-10 ; U7.3@4.865,-11.7 4.865,-10.635 5.5,-10 ; U7.2@6.135,-11.7 6.135,-10.635 5.5,-10
485-RXD: U3.70 U7.1 | length 18.6
  Top Layer w0.2: U3.70@7.75,4 7.75,5.15 v1(7.9,5.3)
  Top Layer w0.6: U7.1@7.405,-11.7 7.405,-10.405 v1(7.41,-10.4)
  Bottom Layer w0.3: v1(7.41,-10.4) 7.9,-9.91 v1(7.9,5.3)
485-TXD: U3.69 U7.4 | length 19.8
  Top Layer w0.2: v1(7.1,5.3) 7.25,5.15 U3.69@7.25,4
  Top Layer w0.6: U7.4@3.595,-11.7 3.595,-10.405 v1(3.6,-10.4)
  Bottom Layer w0.3: v1(3.6,-10.4) 7.1,-6.9 v1(7.1,5.3)
BOOT0: R22.2 S2.1 U3.138 | length 51.4
  Top Layer w0.2: v1(-5.9,27.5) -5.75,27.35 U3.138@-5.75,26 ; v1(2,28.5) 3.4,29.9 5.4,29.9 ; R22.2@5.4,31.2 5.4,29.9 ; S2.1@40.73,31.09 39.04,29.4 24.768,29.4 24.268,29.9 5.4,29.9
  Bottom Layer w0.2: v1(-5.9,27.5) -4.9,28.5 v1(2,28.5)
BOOT1: R23.2 S2.2 U3.48 | length 74.8
  Top Layer w0.2: U3.48@-3.25,4 v1(-3.25,23.95) ; R23.2@3.7,31.2 0.4,27.9 v1(0.4,27.6) 4.769,27.6 6.669,29.5 24.102,29.5 24.602,29 41.18,29 S2.2@43.27,31.09
  Bottom Layer w0.2: v1(-3.25,23.95) v1(0.4,27.6)
CAN1-H: D13.2 P11.1 R9.1 U8.7 | length 43.9
  Top Layer w0.5: P11.1@12.96,-32.5 12.96,-28.54 15,-26.5 15,-20.5 16.635,-18.865 U8.7@18.3,-18.865 ; v1(37,-27.5) R9.1@37,-26.5
  Bottom Layer w0.5: P11.1@12.96,-32.5 17.96,-27.5 v1(37,-27.5)
CAN1-L: D14.2 P11.2 S1.2 U8.6 | length 38.5
  Top Layer w0.5: U8.6@18.3,-20.135 16.865,-20.135 16,-21 16,-26.5 17.8,-28.3 18,-28.3 D14.2@18,-28.8 18,-32.46 P11.2@18.04,-32.5 20.24,-34.7 38.73,-34.7 S1.2@40,-35.97
CAN1-RXD: U3.139 U8.4 | length 61.3
  Top Layer w0.2: U3.139@-6.25,26 -6.2,25.95 -6.2,5.8 v1(-6,5.6) ; v1@-6,-0.1 -6,-4 3.2,-13.2 10.7,-13.2 14.5,-17 14.5,-20.1 13.195,-21.405 U8.4@12.7,-21.405
  Bottom Layer w0.2: v1(-6,0) v1(-6,5.6)
CAN1-TXD: U3.140 U8.1 | length 55.1
  Top Layer w0.2: v1(-6.8,0) -6.8,-3.766 3.034,-13.6 8,-13.6 11.995,-17.595 U8.1@12.7,-17.595 ; v1(-6.8,5.6) -6.6,5.8 -6.6,14.4 -6.75,14.55 U3.140@-6.75,26
  Bottom Layer w0.2: v1(-6.8,0) v1(-6.8,5.6)
CAN2-H: D15.2 P13.1 R10.1 U10.7 | length 33.6
  Top Layer w0.5: P13.1@25.96,-32.5 25.96,-28.54 28,-26.5 28,-20.5 29.635,-18.865 U10.7@31.3,-18.865 ; R10.1@40,-31 v1(40,-29.5)
  Bottom Layer w0.5: P13.1@25.96,-32.5 28.96,-29.5 v1(40,-29.5)
CAN2-L: D16.2 P13.2 S1.3 U10.6 | length 29.3
  Top Layer w0.5: P13.2@31.04,-32.5 31,-32.46 D16.2@31,-28.3 30.8,-28.3 29,-26.5 29,-21 29.865,-20.135 U10.6@31.3,-20.135
  Bottom Layer w0.5: P13.2@31.04,-32.5 36.04,-37.5 41.01,-37.5 S1.3@42.54,-35.97
CAN2-RXD: U3.73 U10.4 | length 34.9
  Top Layer w0.2: U3.73@11,6.25 v1@12.15,6.25
  Top Layer w0.6: v1(24.5,-21.4) 24.505,-21.405 U10.4@25.7,-21.405
  Bottom Layer w0.2: v1(12.3,6.1) 12.3,-9.2 v1(24.5,-21.4)
CAN2-TXD: U3.74 U10.1 | length 33.8
  Top Layer w0.2: U3.74@11,6.75 v1@12.15,6.75
  Top Layer w0.6: v1(24.6,-17.595) U10.1@25.7,-17.595
  Bottom Layer w0.2: v1(12.3,6.9) 12.349,6.9 13.2,6.049 13.2,-9.534 21.261,-17.595 v1(24.6,-17.595)
CSR_DV: U3.43 U9.11 | length 11.9
  Top Layer w0.2: U9.11@-16.375,2.25 -15.45,2.25 -15.2,2.5 -6.3,2.5 -5.75,3.05 U3.43@-5.75,4
FSMC-A0: U3.10 U4.5 | length 46.7
  Top Layer w0.2: U3.10@-11,19.25 -8.55,19.25 v1(-8.4,19.4) ; U4.5@30.201,11 v1(30.201,14.399)
  Bottom Layer w0.2: v1(-8.4,19.4) -8.351,19.4 -3.751,14.8 28.963,14.8 29.363,14.399 v1(30.201,14.399)
FSMC-A1: U3.11 U4.4 | length 46.9
  Top Layer w0.2: U3.11@-11,18.75 -8.55,18.75 v1(-8.4,18.6) ; U4.4@31.001,11 v1(31,13.8)
  Bottom Layer w0.2: v1(-8.4,18.6) -8.117,18.6 -3.917,14.4 28.797,14.4 29.398,13.799 v1(31,13.8)
FSMC-A2: U3.12 U4.3 | length 46.8
  Top Layer w0.2: U3.12@-11,18.25 -9.25,18.25 v1(-9,18) ; U4.3@31.801,11 v1(31.801,13.2) v1@31.801,13.299
  Bottom Layer w0.2: -8.649,18 -8.083,18 -4.083,14 28.631,14 29.431,13.2 v1(31.801,13.2)
FSMC-A3: U3.13 U4.2 | length 47.4
  Top Layer w0.2: U3.13@-11,17.75 -9.619,17.75 -9.5,17.631 -9.48,17.631 -9.249,17.4 v1(-8.4,17.4) ; U4.2@32.601,11 v1@32.601,12.699
  Bottom Layer w0.2: v1(-8.4,17.4) -8.049,17.4 -4.249,13.6 28.466,13.6 29.466,12.6 v1(32.6,12.6)
FSMC-A4: U3.14 U4.1 | length 46.6
  Top Layer w0.2: U3.14@-11,17.25 -9.684,17.25 -9.234,16.8 v1(-9,16.8)
  Bottom Layer w0.2: v1(-9,16.8) -8.014,16.8 -4.414,13.2 28.3,13.2 29.501,11.999 v1(33.401,11.999)
FSMC-A5: U3.15 U4.44 | length 52.4
  Top Layer w0.2: U3.15@-11,16.75 -9.799,16.75 -9.249,16.2 v1(-8.4,16.2) ; v1(23.9,9.6) 33.401,0.099 U4.44@33.401,-1
  Bottom Layer w0.2: v1(-8.4,16.2) -7.98,16.2 -4.58,12.8 13.5,12.8 14.9,11.4 22.1,11.4 v1(23.9,9.6)
FSMC-A6: U3.50 U4.43 | length 40.4
  Top Layer w0.2: U3.50@-2.25,4 -2.25,3.099 4.949,-4.1 30.1,-4.1 32.601,-1.599 U4.43@32.601,-1
FSMC-A7: U3.53 U4.42 | length 38.3
  Top Layer w0.2: U3.53@-0.75,4 -0.75,2.165 5.115,-3.7 29.7,-3.7 31.801,-1.599 U4.42@31.801,-1
FSMC-A8: U3.54 U4.27 | length 25.4
  Top Layer w0.2: U3.54@-0.25,4 -0.25,2.23 5.28,-3.3 18.1,-3.3 19.799,-1.601 U4.27@19.799,-1
FSMC-A9: U3.55 U4.26 | length 23.7
  Top Layer w0.2: U3.55@0.25,4 0.25,2.296 5.446,-2.9 17.7,-2.9 18.999,-1.601 U4.26@18.999,-1
FSMC-A10: U3.56 U4.25 | length 22.1
  Top Layer w0.2: U3.56@0.75,4 0.75,2.362 5.612,-2.5 17.3,-2.5 18.199,-1.601 U4.25@18.199,-1
FSMC-A11: U3.57 U4.24 | length 20.5
  Top Layer w0.2: U3.57@1.25,4 1.25,2.427 5.777,-2.1 17,-2.1 17.399,-1.701 U4.24@17.399,-1
FSMC-A12: U3.87 U4.22 | length 6.9
  Top Layer w0.2: U3.87@11,13.25 14.95,13.25 16.599,11.601 U4.22@16.599,11
FSMC-A13: U3.88 U4.21 | length 7.9
  Top Layer w0.2: U3.88@11,13.75 15.25,13.75 17.399,11.601 U4.21@17.399,11
FSMC-A14: U3.89 U4.20 | length 8.9
  Top Layer w0.2: U3.89@11,14.25 15.55,14.25 18.199,11.601 U4.20@18.199,11
FSMC-A15: U3.90 U4.19 | length 9.9
  Top Layer w0.2: U3.90@11,14.75 15.85,14.75 18.999,11.601 U4.19@18.999,11
FSMC-A16: U3.80 U4.18 | length 10.3
  Top Layer w0.2: U3.80@11,9.75 12.147,9.75 12.897,9 18.9,9 19.799,9.899 U4.18@19.799,10.7
FSMC-A17: U3.81 U4.23 | length 15.9
  Top Layer w0.2: U3.81@11,10.25 12.213,10.25 12.863,9.6 v1(15.7,9.6) ; U4.23@16.599,-1 v1(16.599,-0.001)
  Bottom Layer w0.2: v1(15.7,9.6) 16.599,8.701 v1(16.599,-0.001)